# Altium PCB power_board.PcbDoc (part 1 of 2)
Units mm, origin at the board's own origin, x right, y up, seen from the top; angles counter-clockwise.
Board outline 219.3 x 134.6 mm, 4 copper layers (L1, L2, L3, L4), stack 2.302 mm thick; 193 components, 110 nets, 629 pads, 113 vias.
Unrouted connection lines stored in the file: 1.
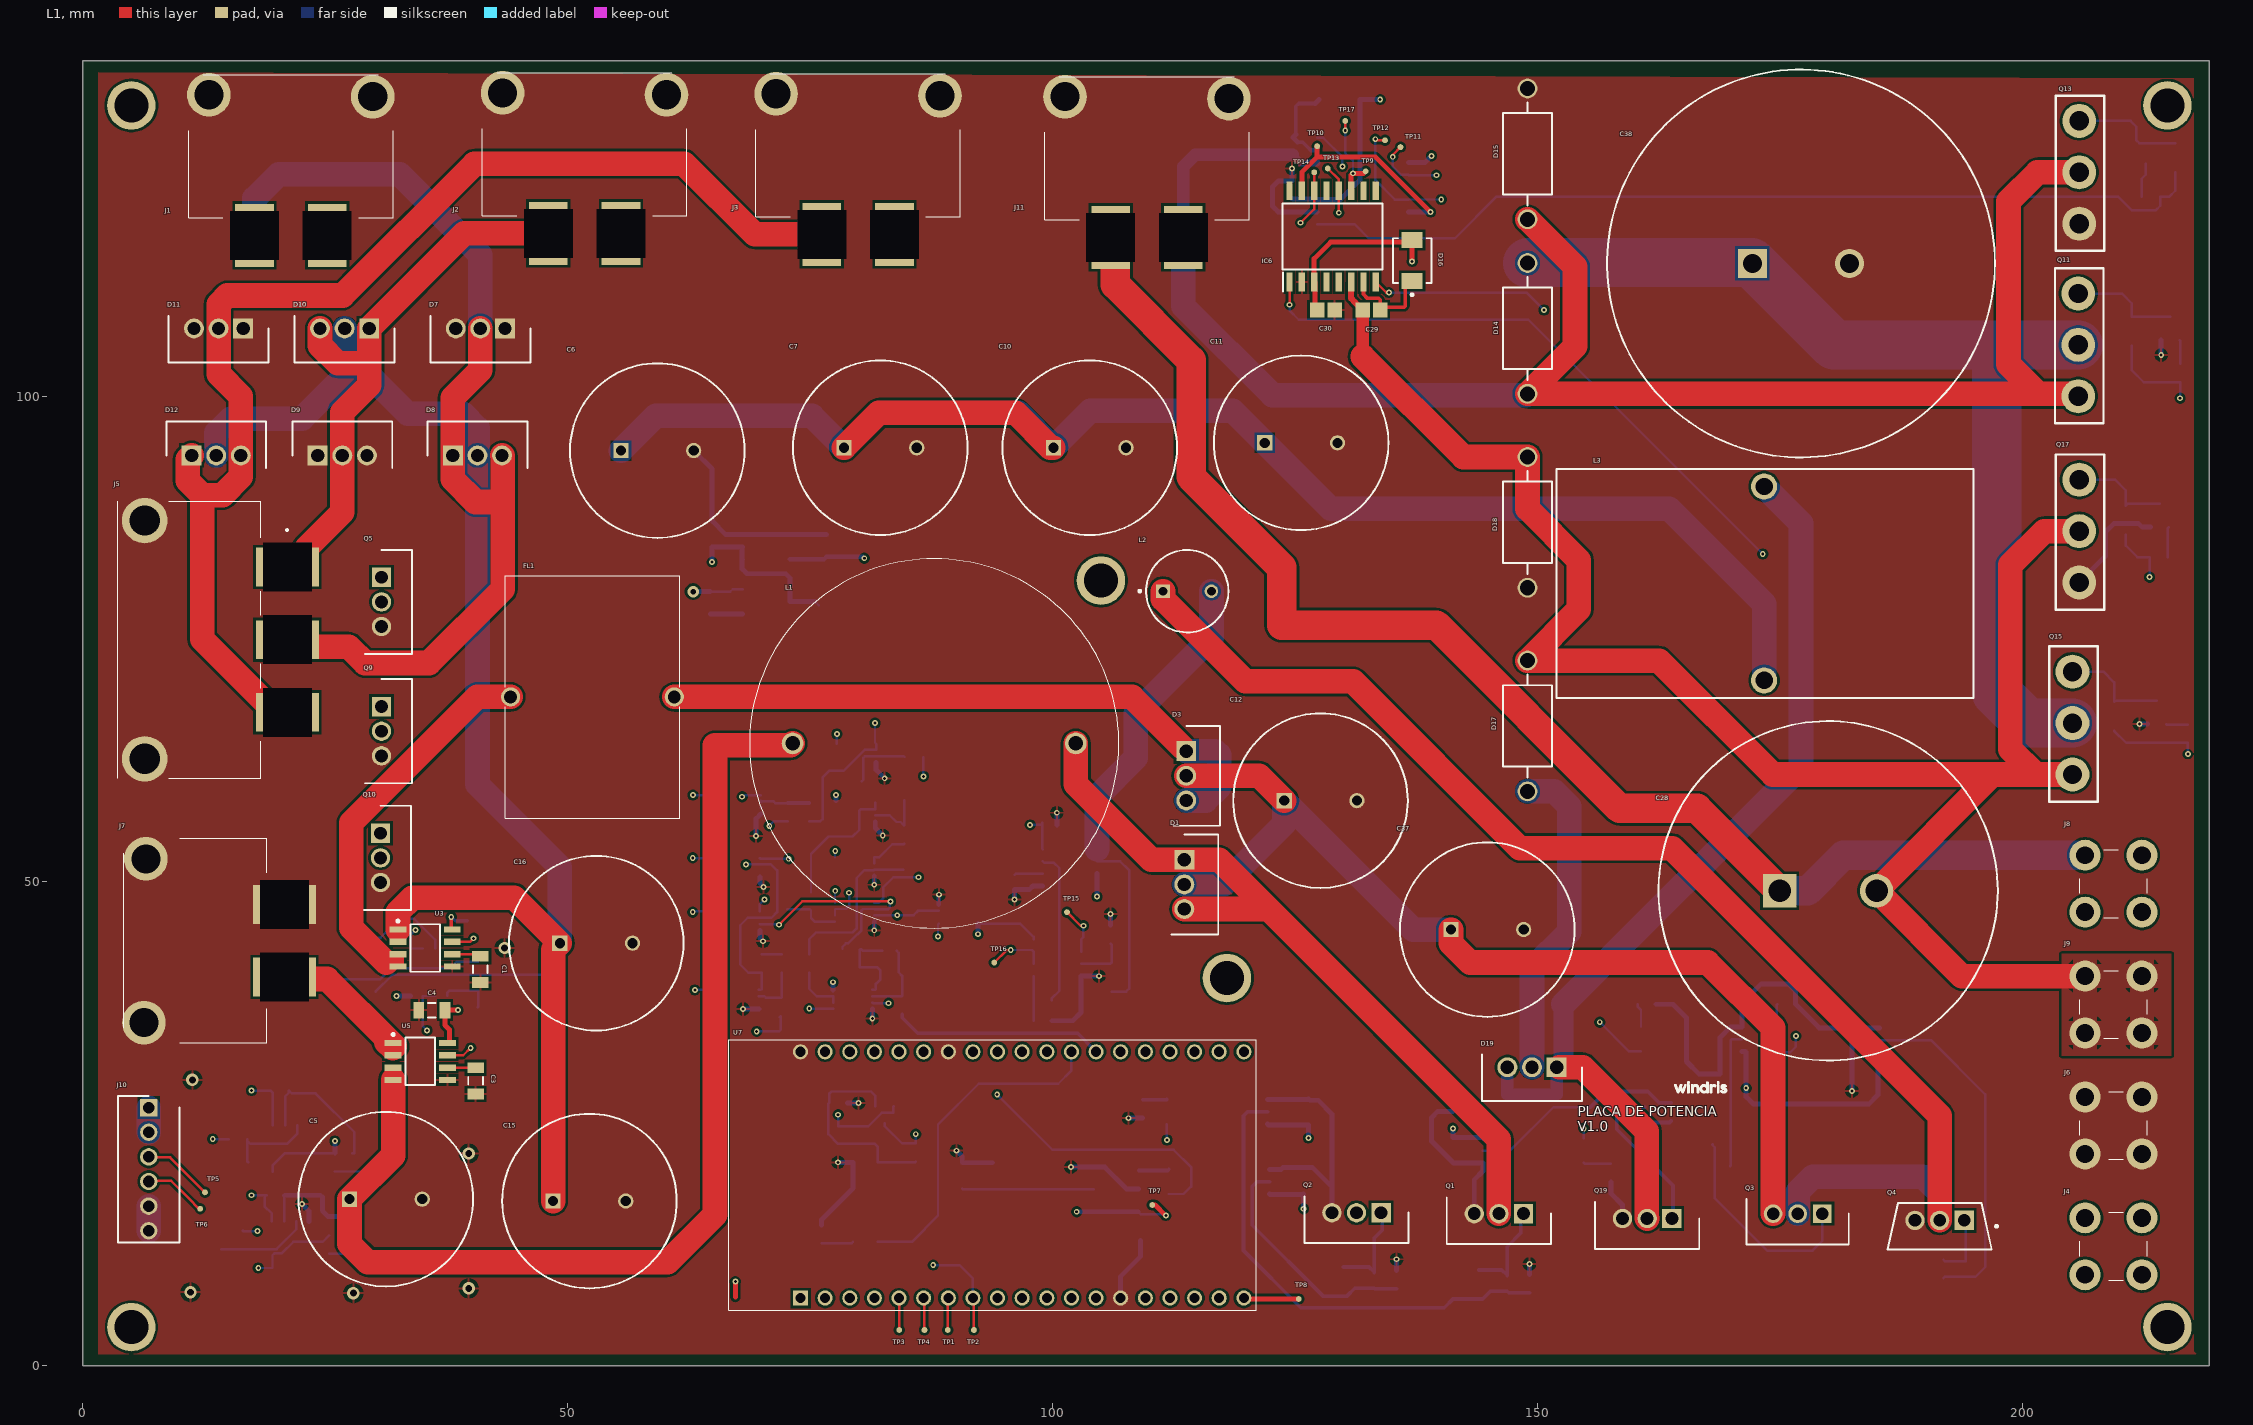
[diagram p0: L1 view]
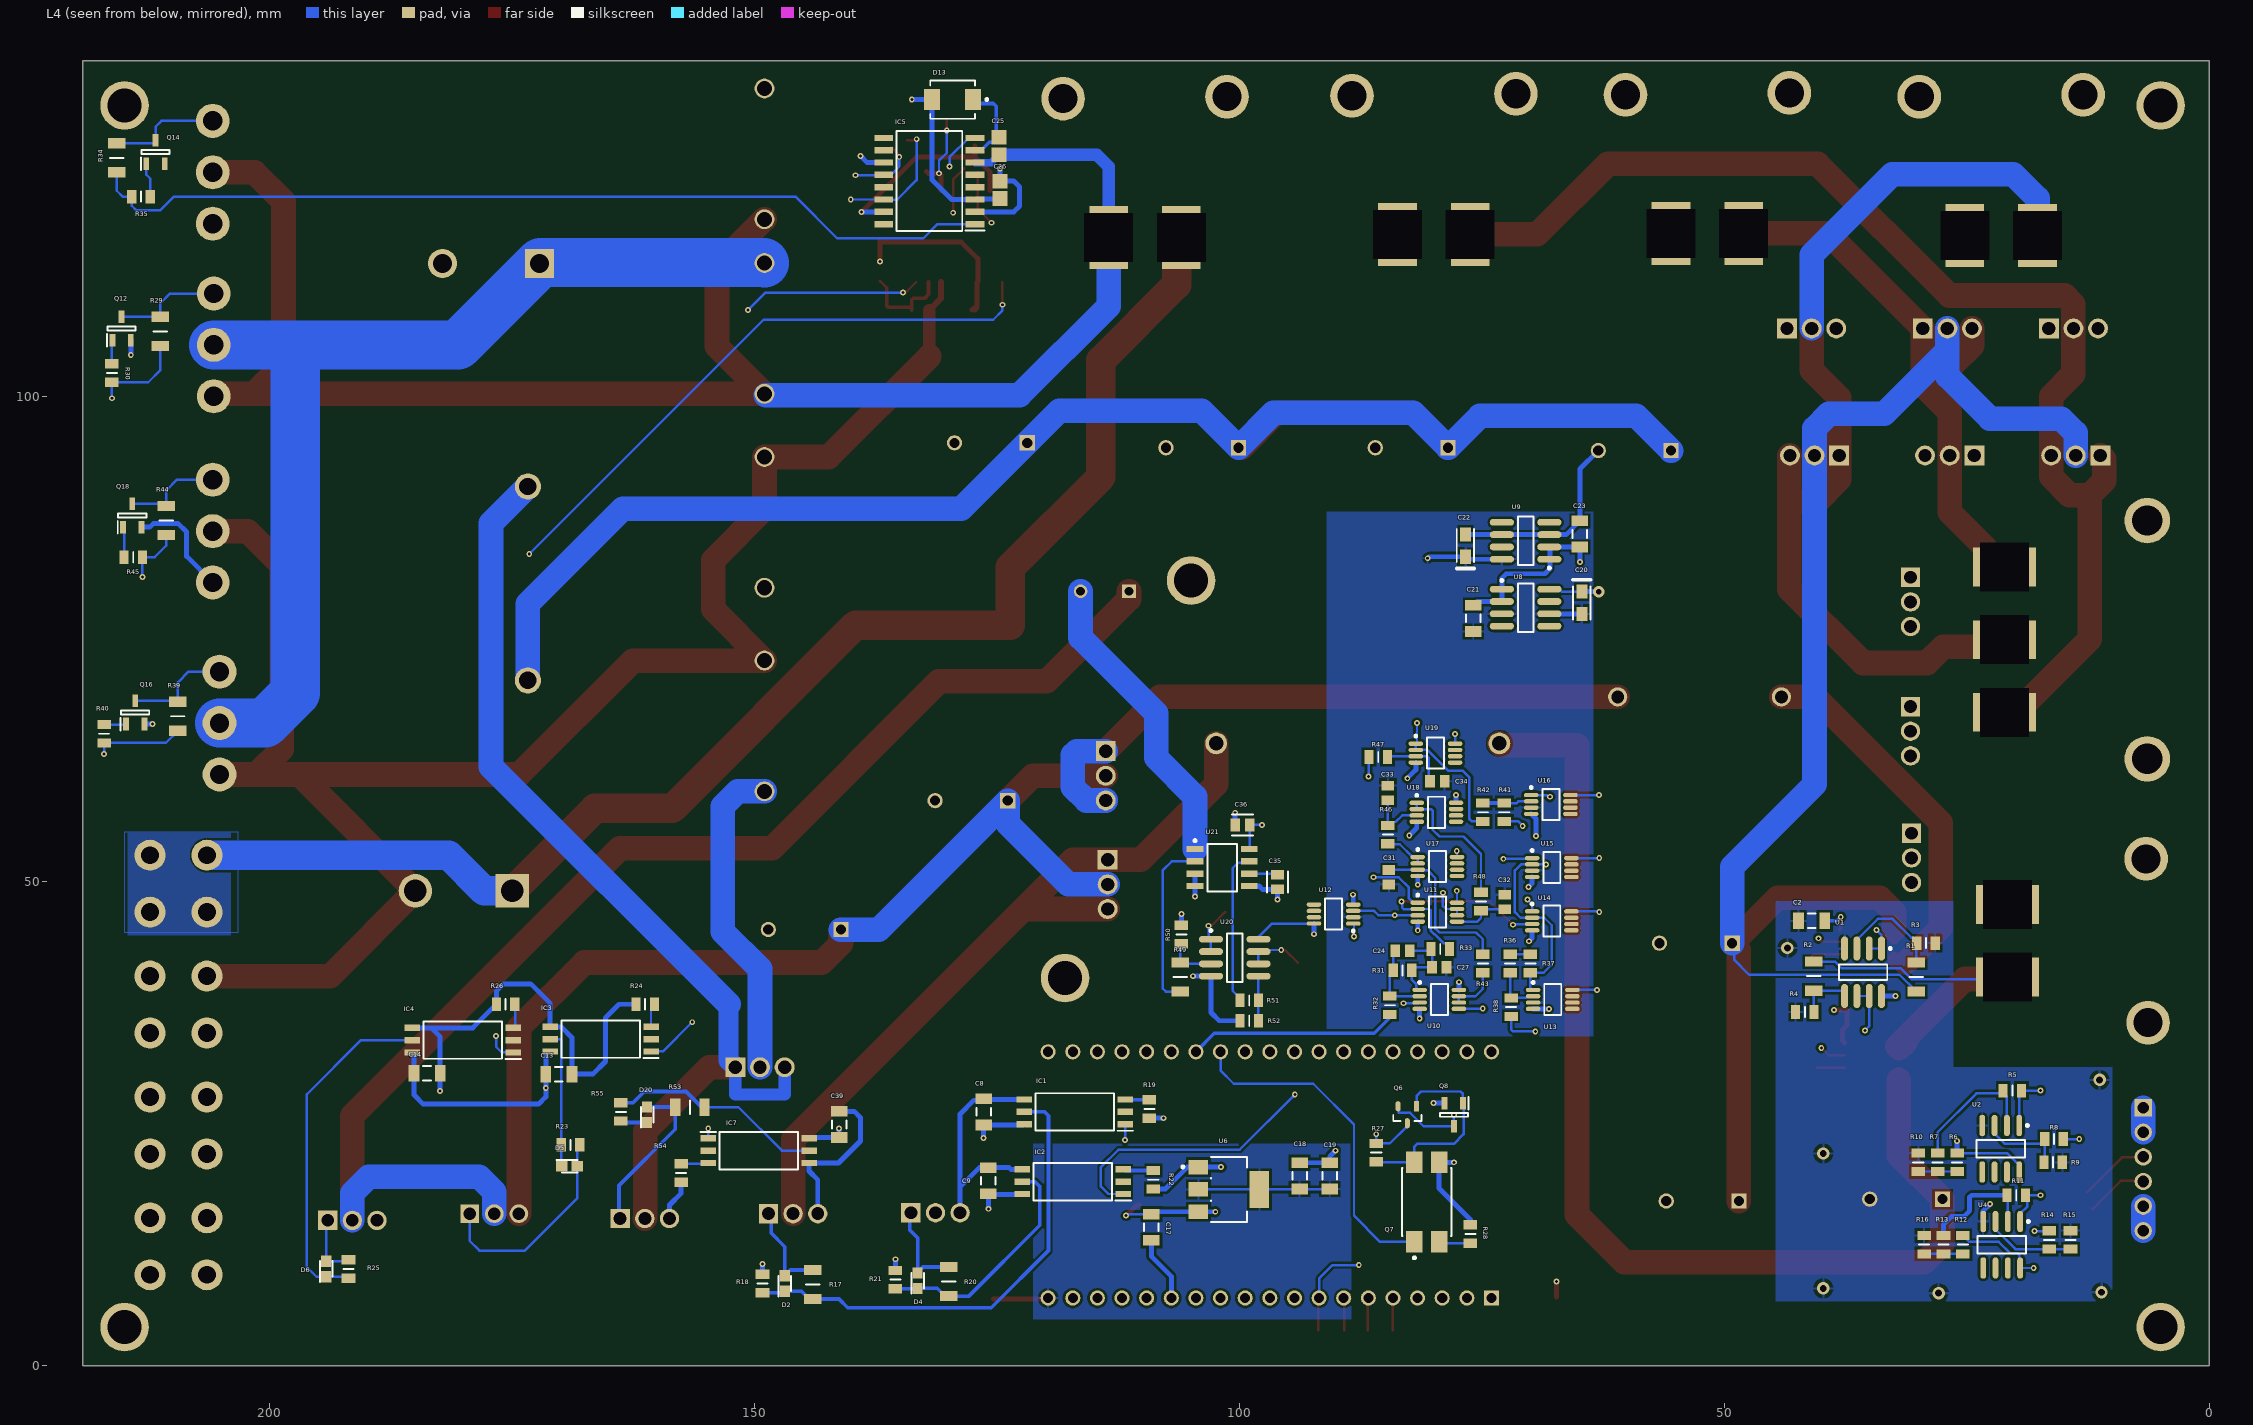
[diagram p1: L4 view, seen from below]
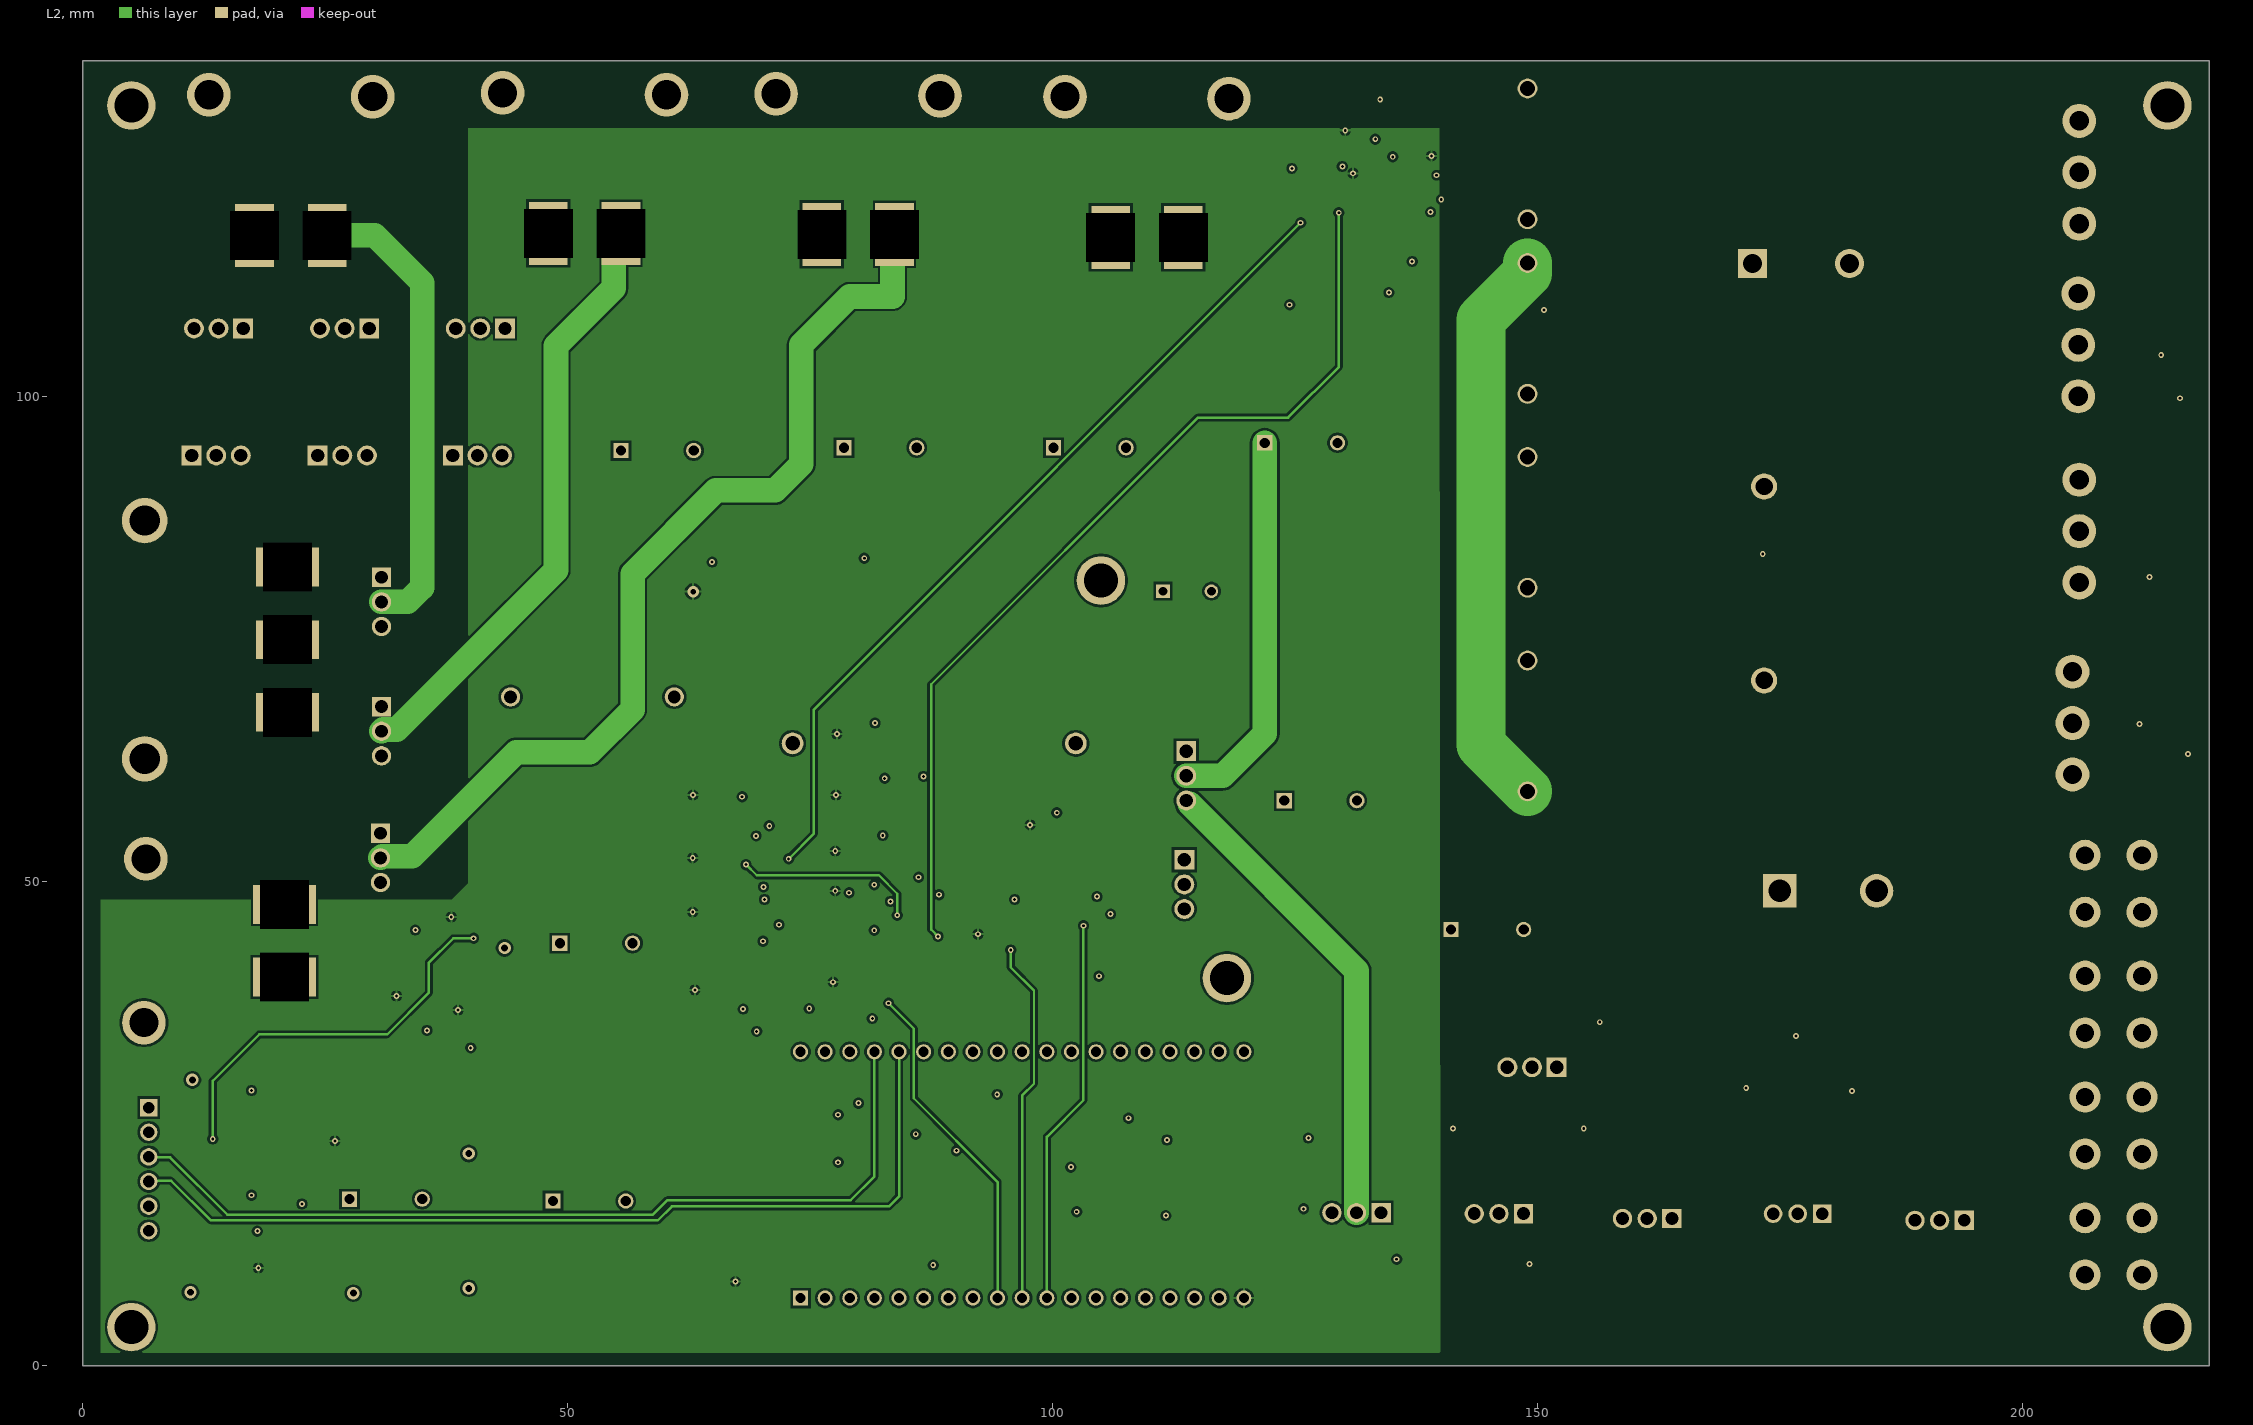
[diagram p2: L2]
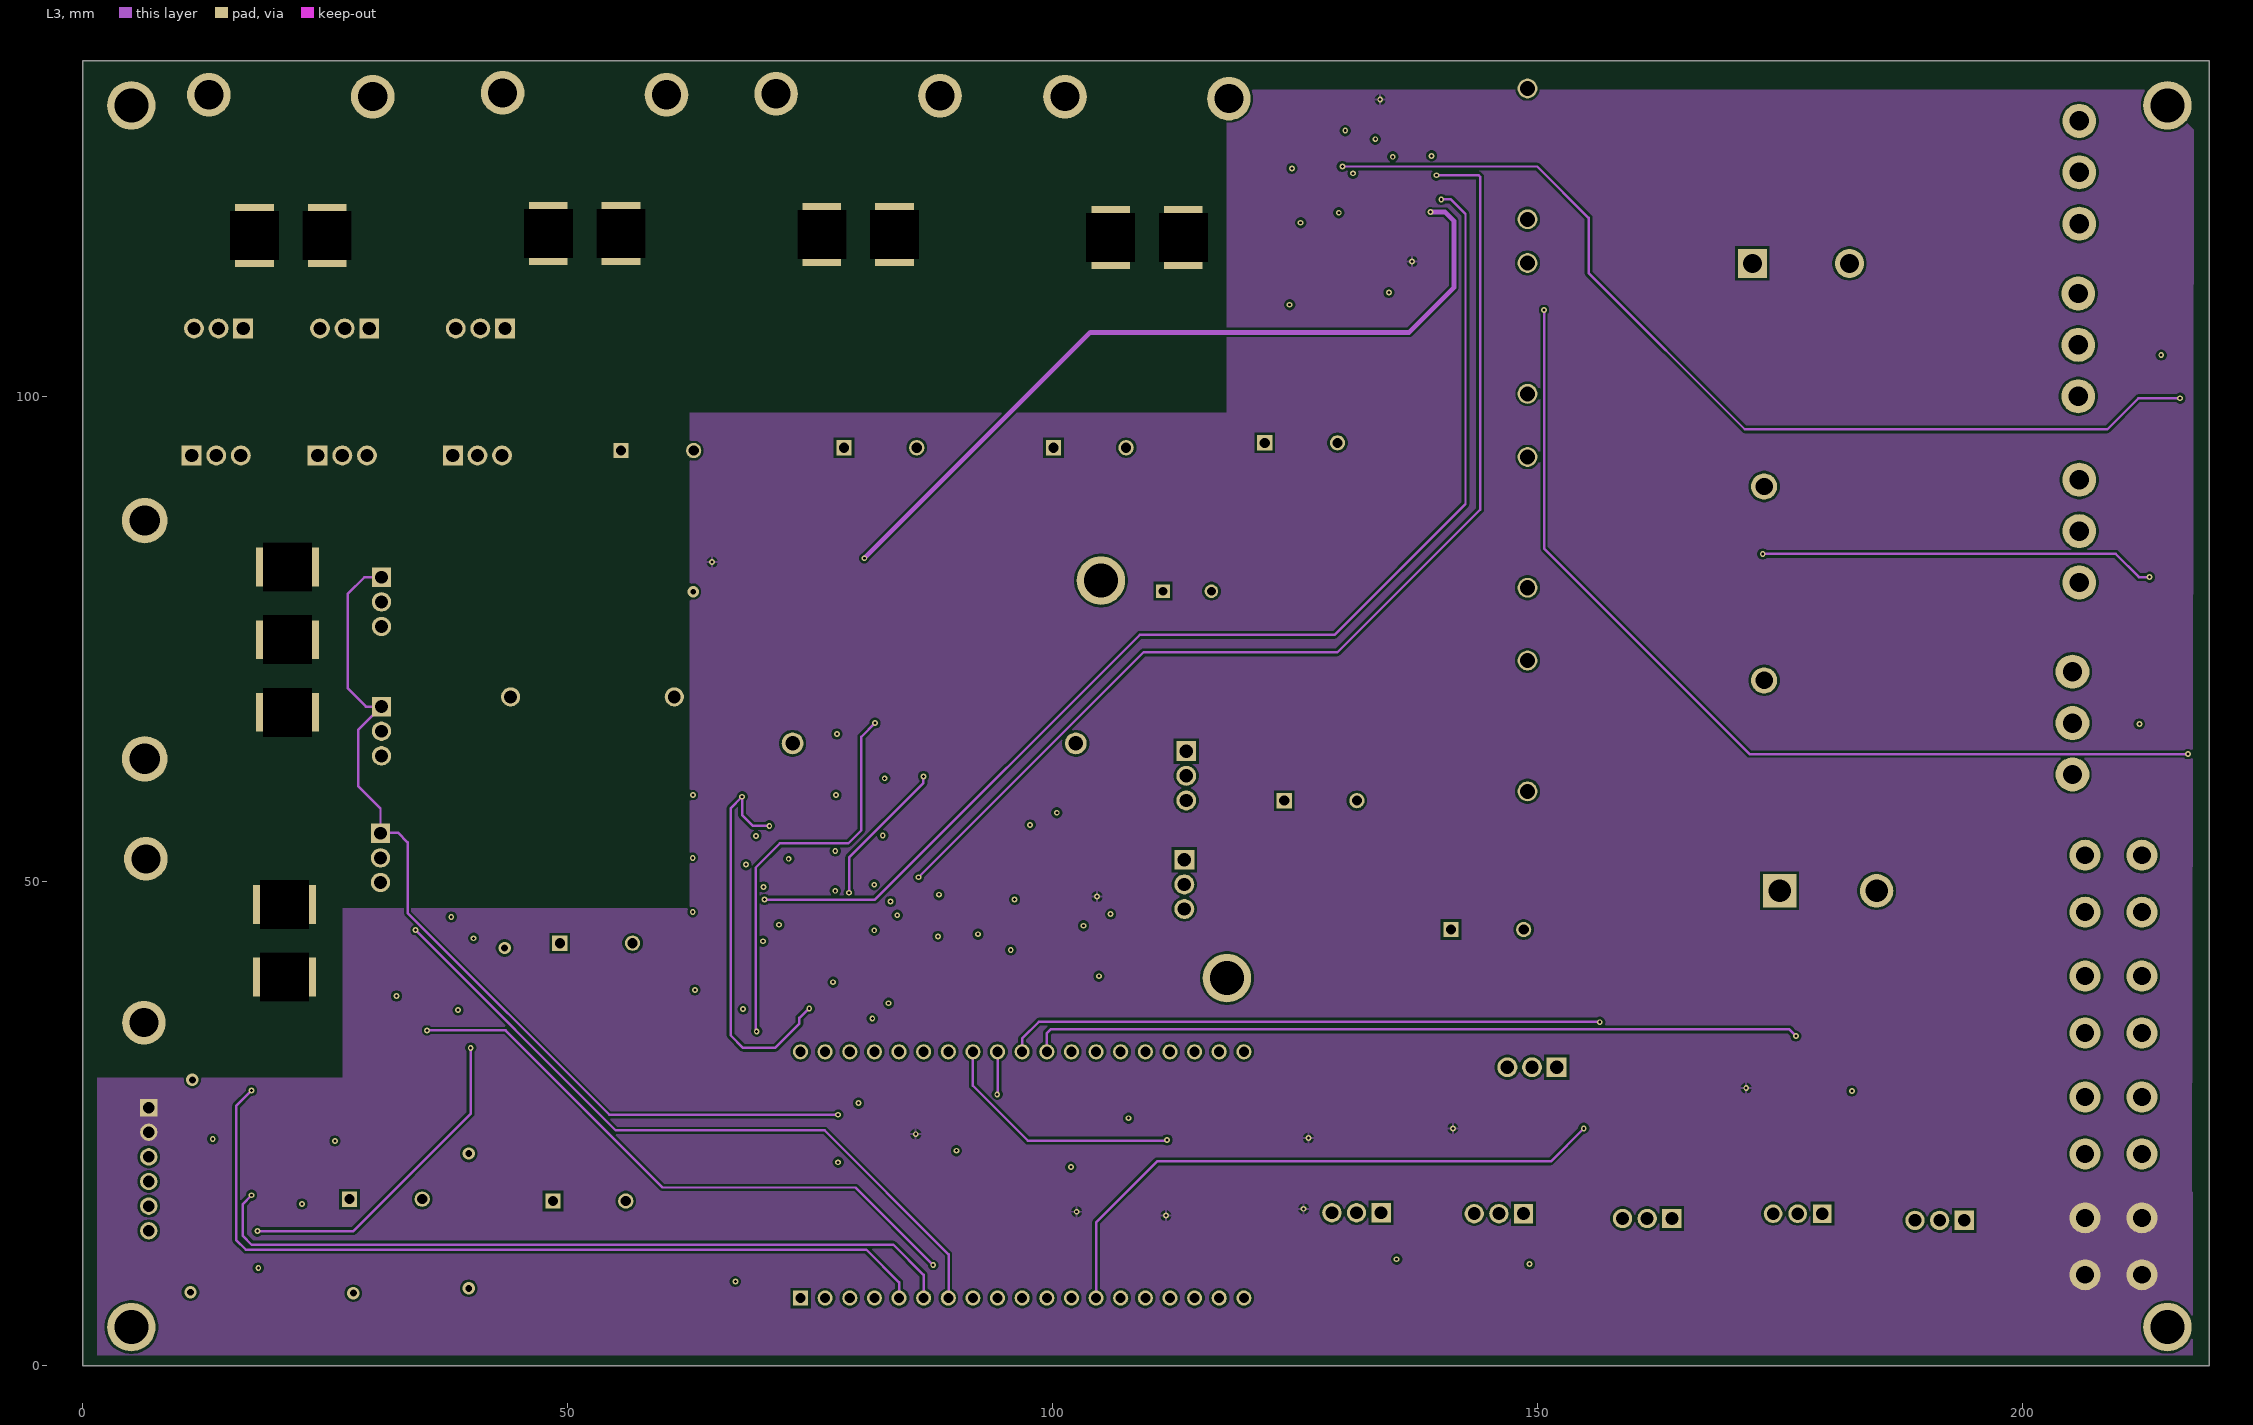
[diagram p3: L3]
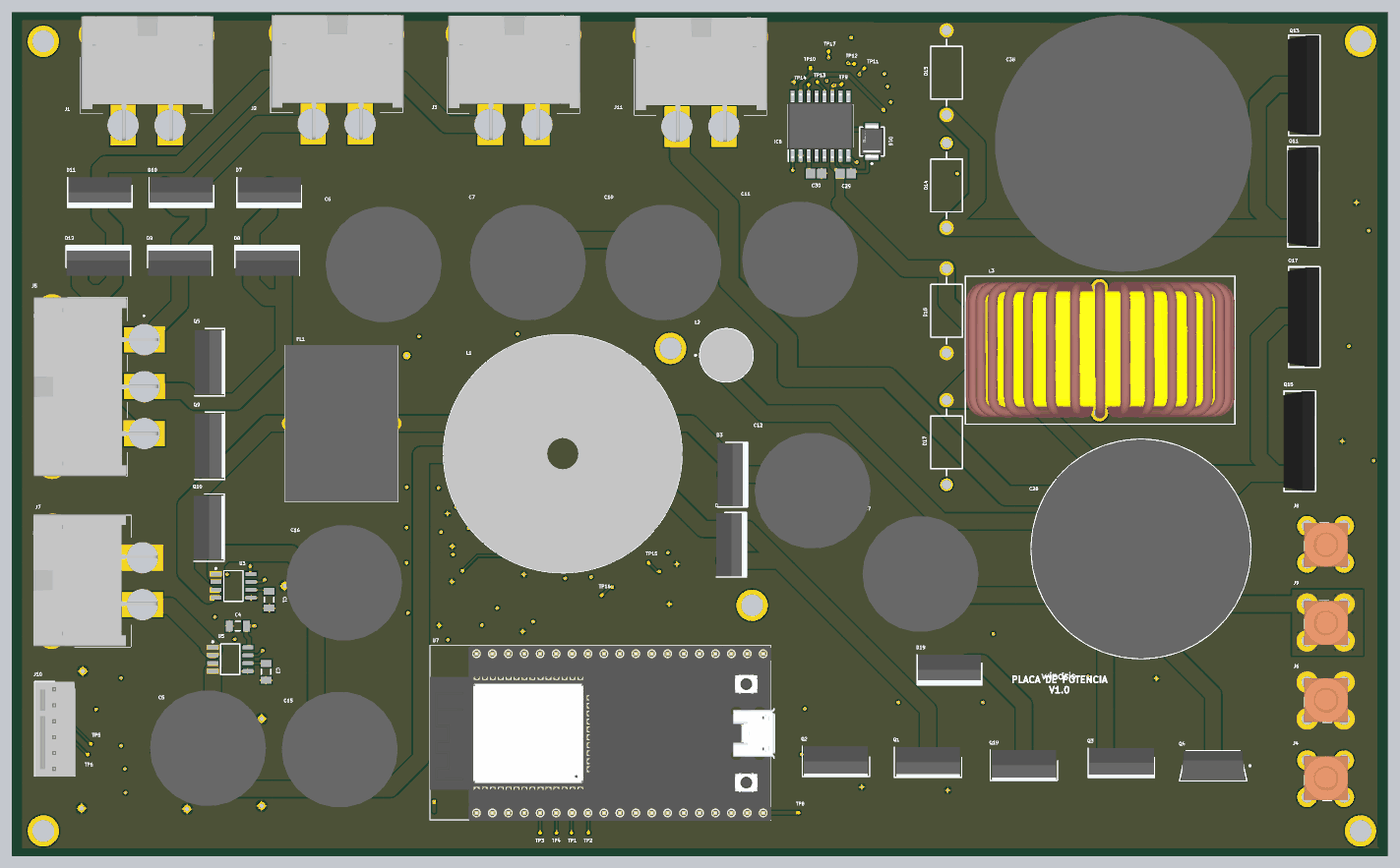
[diagram p5: 3D render of the assembled board from above, using the file's embedded part models]
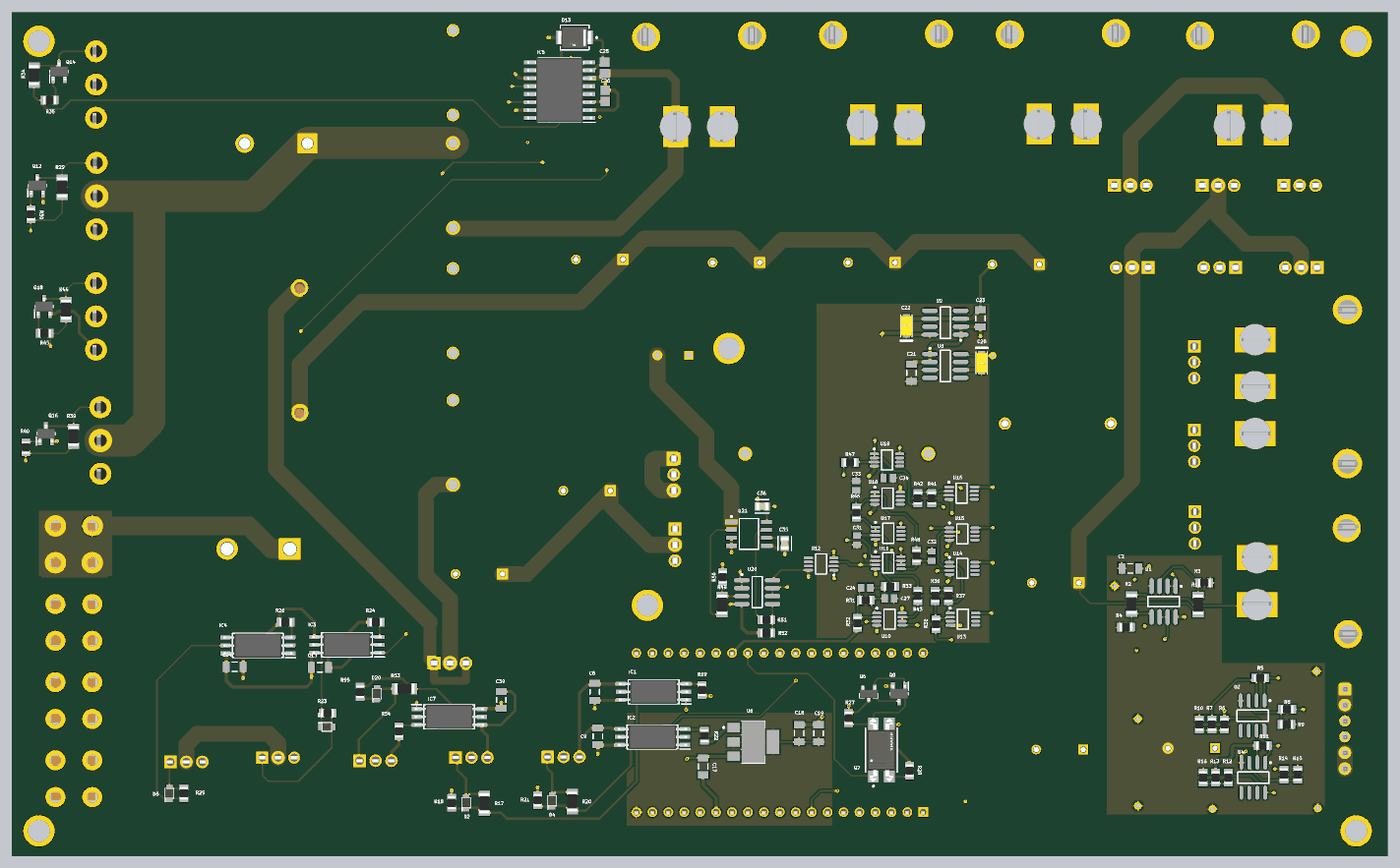
[diagram p6: 3D render of the assembled board from below, using the file's embedded part models]

## Layer stack, top to bottom
Top Solder: solder mask 0.0102, Solder Resist, Dk 3.5
L1: signal copper 0.14
Dielectric 2: prepreg 0.0711, PP-006, Dk 4.1
L2: signal copper 0.14
Dielectric 1: dielectric 1.6, FR-4, Dk 4.8
L3: signal copper 0.14
Dielectric 3: prepreg 0.0711, PP-006, Dk 4.1
L4: signal copper 0.14
Bottom Solder: solder mask 0.0102, Solder Resist, Dk 3.5

## Board outline
0,0 219.3,0 219.3,134.6 0,134.6

## Design rules (kind name [scope] priority, off if disabled: settings)
Clearance pour [InPolygon] p1: gap=0.254 ignorepadtopadclearanceinfootprint=FALSE except(0.127: Arc-Via Track-Via SMDPad-Via THPad-Via Via-Via)
Clearance [All] p2: gap=0.051 ignorepadtopadclearanceinfootprint=FALSE
Height [All] p1: minheight=0 maxheight=120 prefheight=15
PolygonConnect +12V [InNet('+12V') vs InNet('+12V')] p1: thpad.connectstyle=Direct thpad.reliefconductorwidth=0.254 thpad.reliefentries=4 thpad.polygonreliefangle="90 Angle" thpad.airgapwidth=0.254 smdpad.connectstyle=Relief smdpad.reliefconductorwidth=0.254 smdpad.reliefentries=4 smdpad.polygonreliefangle="90 Angle" smdpad.airgapwidth=0.254 via.connectstyle=Relief via.reliefconductorwidth=0.254 via.reliefentries=4 via.polygonreliefangle="90 Angle" via.airgapwidth=0.254
PolygonConnect GND [InNet('GND') vs InNet('GND')] p2: thpad.connectstyle=Direct thpad.reliefconductorwidth=0.254 thpad.reliefentries=4 thpad.polygonreliefangle="90 Angle" thpad.airgapwidth=0.254 smdpad.connectstyle=Relief smdpad.reliefconductorwidth=0.254 smdpad.reliefentries=4 smdpad.polygonreliefangle="90 Angle" smdpad.airgapwidth=0.254 via.connectstyle=Relief via.reliefconductorwidth=0.254 via.reliefentries=4 via.polygonreliefangle="90 Angle" via.airgapwidth=0.381
PolygonConnect INV_2 [InNet('NetC28_2') vs InNet('NetC28_2')] p3: connectstyle=Direct reliefconductorwidth=2.54 reliefentries=4 polygonreliefangle="90 Angle" airgapwidth=0.508
PolygonConnect INV_1 [InNet('NetC28_1') vs InNet('NetC28_1')] p4: connectstyle=Direct reliefconductorwidth=2.54 reliefentries=4 polygonreliefangle="90 Angle" airgapwidth=0.508
PolygonConnect [All] p5: connectstyle=Relief reliefconductorwidth=0.254 reliefentries=4 polygonreliefangle="90 Angle" airgapwidth=0.254
RoutingVias [All] p1: holewidth=0.3 width=0.6 viastyle="Through Hole" minholewidth=0.3 minwidth=0.6 maxholewidth=0.6 maxwidth=1.2
SolderMaskExpansion [All] p1: expansion=0.102 istentingtop=FALSE
Width [All] p1: maxlimit=12.7 minlimit=0.254 preferedwidth=0.381
29 further rules are at their usual default settings.

## Classes and differential pairs
component class U_DC_DC_boost: C37 C38 C39 D19 D20 IC7 L3 Q19 R53 R54 R55
component class U_sensors: C1 C2 C3 C4 R1 R2 R3 R4 R5 R6 R7 R8 R9 R10 R11 R12 R13 R14 R15 R16 TP1 TP2 TP3 TP4 U1 U2 U3 U4 U5
component class U_SensorsBat: C35 C36 R49 R50 R51 R52 TP15 TP16 TP17 U20 U21
component class U_Rectifier: C15 C16 D7 D8 D9 D10 D11 D12 J1 J2 J3 Q5 Q6 Q7 Q8 Q9 Q10 R27 R28
component class U_Microcontroller: C17 C18 C19 TP7 TP8 U6 U7
component class U_Inverter: C20 C21 C22 C23 C24 C25 C26 C27 C28 C29 C30 C31 C32 C33 C34 D13 D14 D15 D16 D17 D18 IC5 IC6 J11 Q11 Q12 Q13 Q14 Q15 Q16 Q17 Q18 R29 R30 R31 R32 R33 R34 R35 R36 R37 R38 R39 R40 R41 R42 R43 R44 R45 R46 R47 R48 TP9 TP10 TP11 TP12 TP13 TP14 U8 U9 U10 U11 U12 U13 U14 U15 U16 U17 U18 U19
component class U_DC_DC_MPPT: C5 C6 C7 C8 C9 C10 C11 D1 D2 D3 D4 FL1 IC1 IC2 L1 Q1 Q2 R17 R18 R19 R20 R21 R22
component class U_charge_controller: C12 C13 C14 D5 D6 IC3 IC4 L2 Q3 Q4 R23 R24 R25 R26
component class Main_sch: J4 J5 J6 J7 J8 J9 J10 TP5 TP6
